# Allegro board Learn.brd (continued)
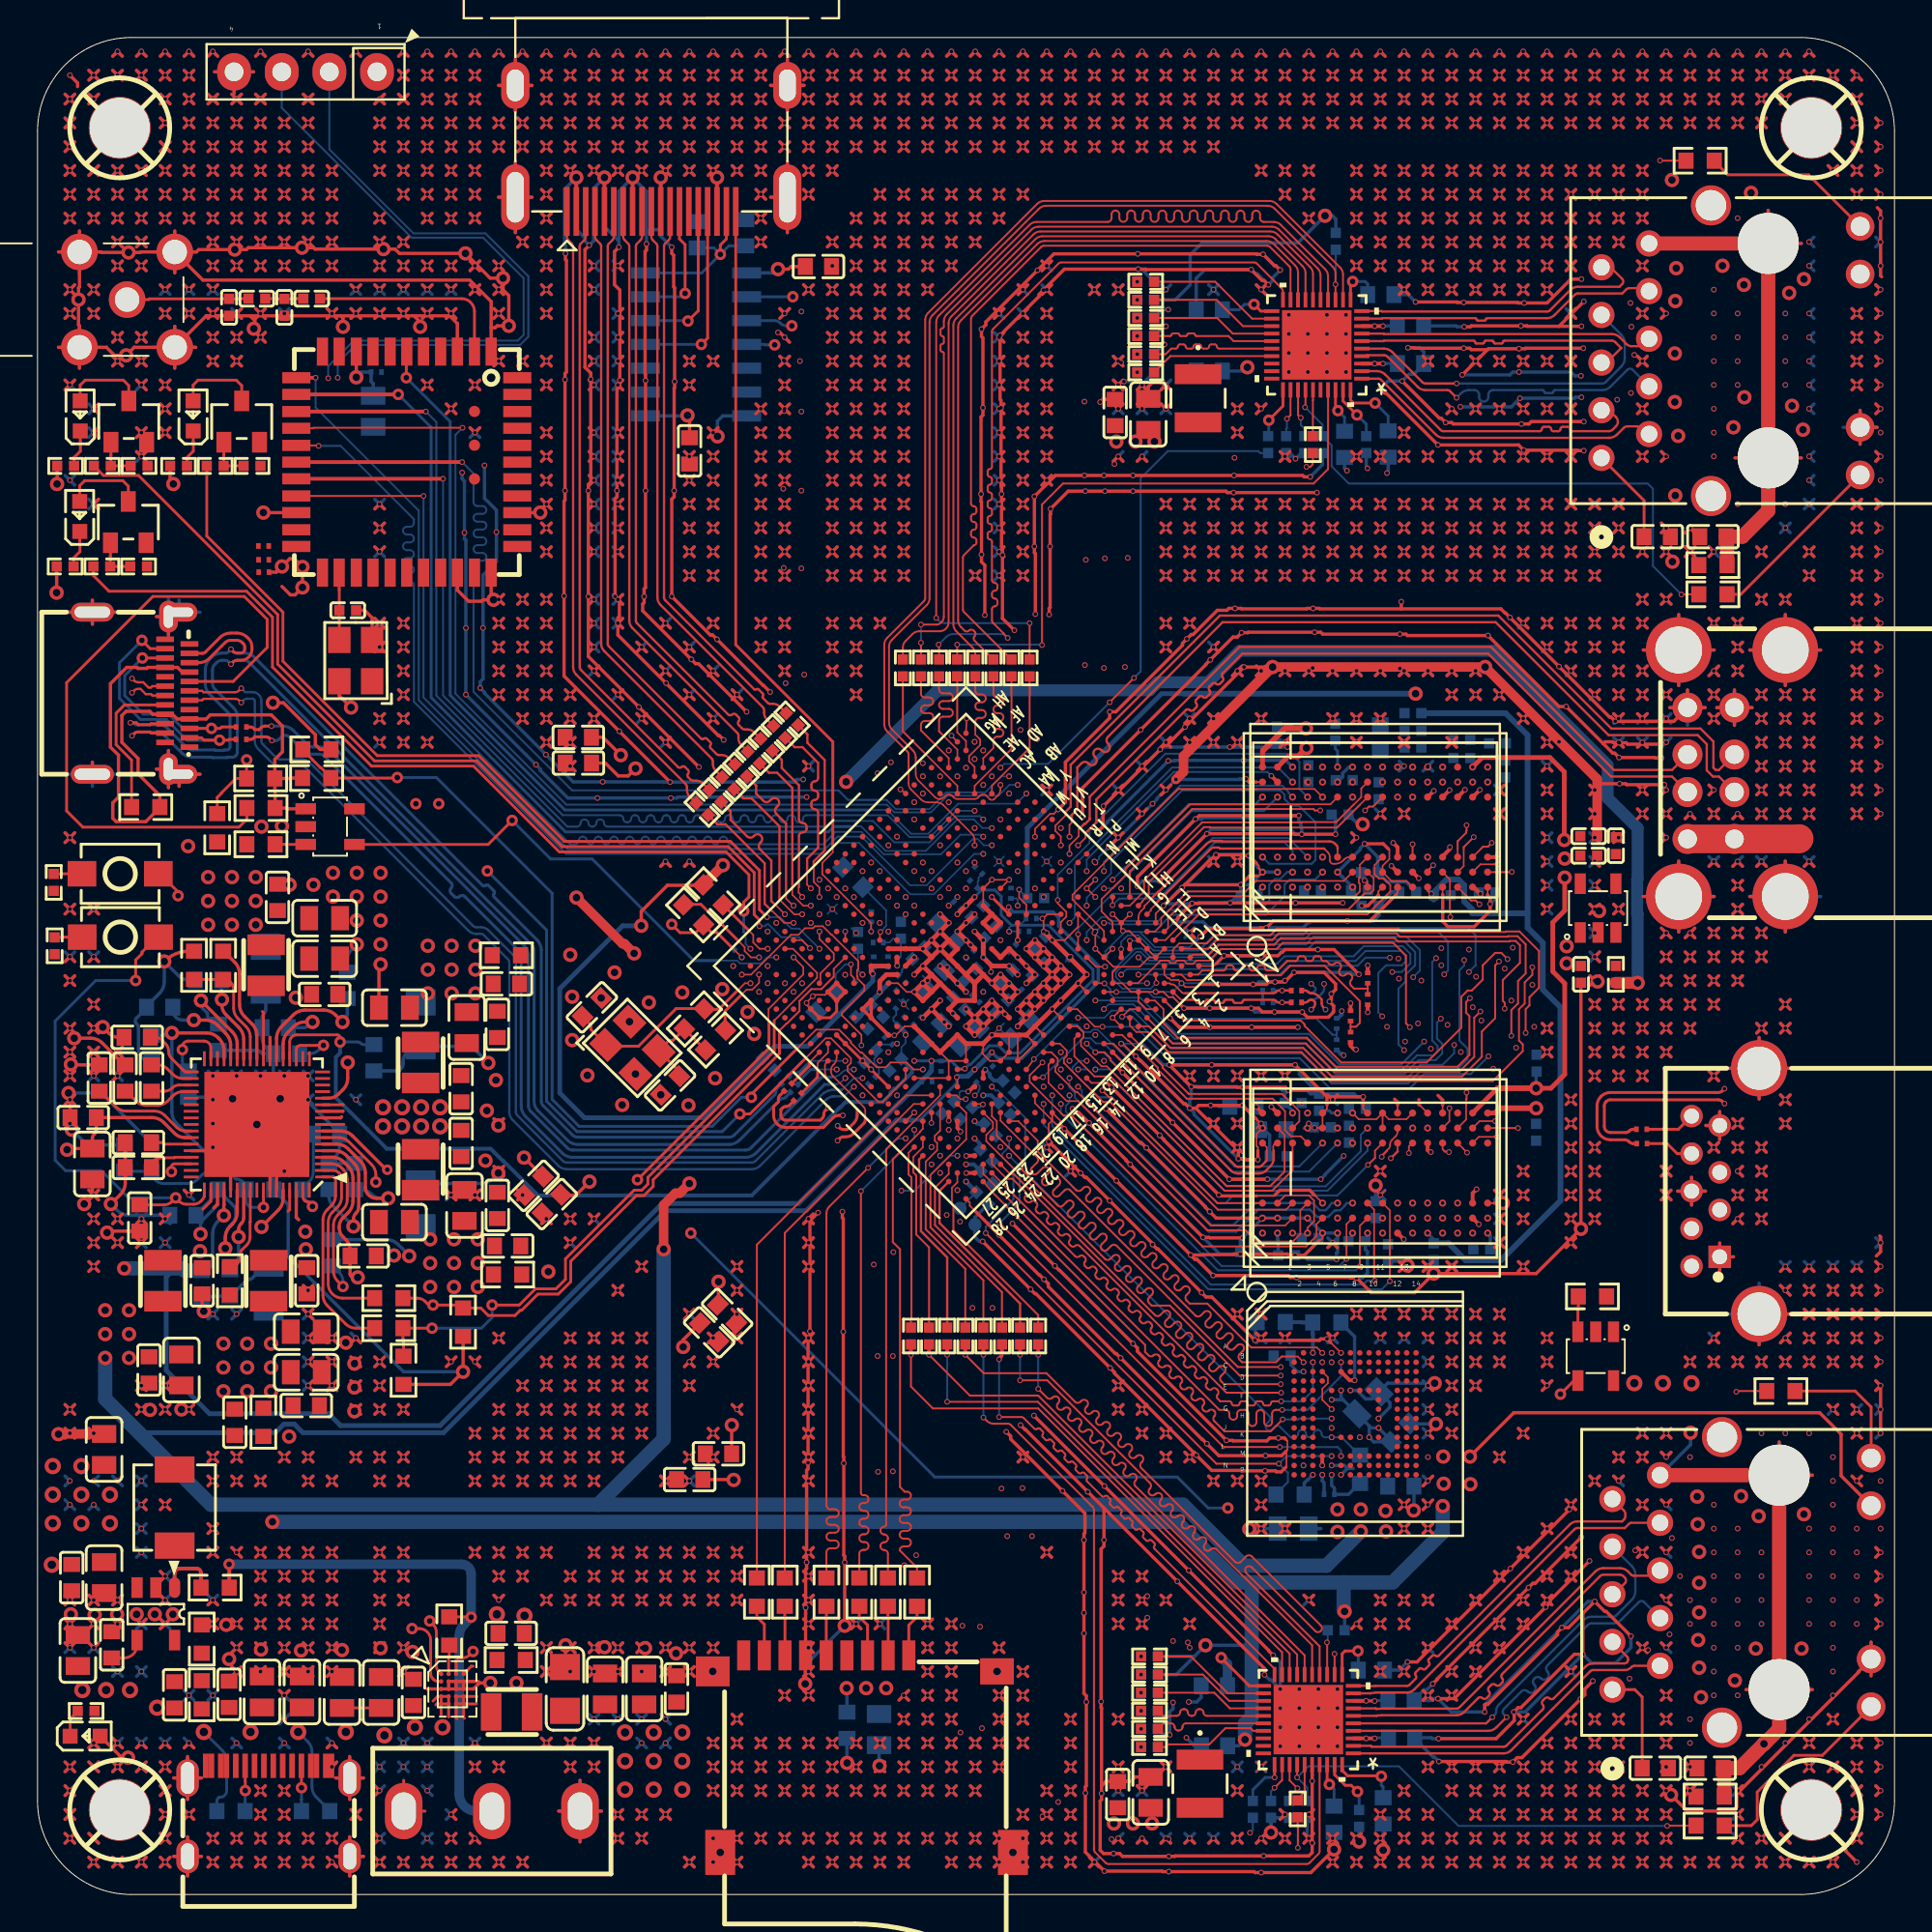
[diagram p0: board, top side]
## Routing (per net, layer and track width the routed paths; a pad name or vN(x,y) marks a point on that pad's centre or on a via; arc(x,y) is an arc through that point) (continued)
J1.20 39.97,92.36 ; J1.20 39.08,90.47 ; J1.20 39.97,88.58 ; 11.63,13.41 v1(11.88,13.15) ; v1(11.88,13.15) 11.63,12.9 ; v1(11.88,13.15) 12.14,12.9 ; v1(11.88,13.15) 12.14,13.41 ; 25.6,68.78 v1(25.85,69.03) ; v1(25.85,69.03) 26.11,68.78 ; v1(25.85,69.03) 26.11,69.29 ; v1(25.85,69.03) 25.6,69.29 ; 86.56,73.1 v1(86.81,72.84) ; v1(86.81,72.84) 87.07,72.59 ; v1(86.81,72.84) 86.56,72.59 ; 43.38,82.75 v1(43.63,83) ; v1(43.63,83) 43.89,82.75 ; v1(43.63,83) 43.38,83.26 ; v1(43.63,83) 43.89,83.26 ; 64.97,70.56 v1(65.22,70.3) ; v1(65.22,70.3) 65.48,70.05 ; v1(65.22,70.3) 65.48,70.56 ; v1(65.22,70.3) 64.97,70.05 ; 72.59,29.92 v1(72.84,29.66) 73.1,29.92 ; 53.54,2.74 v1(53.79,2.99) ; v1(53.79,2.99) 54.05,3.25 ; v1(53.79,2.99) 54.05,2.74 ; v1(53.79,2.99) 53.54,3.25 ; 29.41,17.98 v1(29.66,18.23) ; v1(29.66,18.23) 29.92,17.98 ; v1(29.66,18.23) 29.41,18.49 ; v1(29.66,18.23) 29.92,18.49 ; v1(56.33,94.43) 56.59,94.18 ; v1(56.33,94.43) 56.08,94.69 ; v1(56.33,94.43) 56.08,94.18 ; v1(56.33,94.43) 56.59,94.69 ; v1(98.24,27.12) v1(98.24,25.85) v1(98.24,24.58) ; v1(98.24,27.12) 97.99,26.87 ; v1(98.24,27.12) 97.99,27.38 ; 82.75,71.32 v1(83,71.57) ; v1(83,71.57) 83.26,71.83 ; v1(83,71.57) 83.26,71.32 ; v1(83,71.57) 82.75,71.83 ; 80.21,15.44 v1(80.46,15.69) ; v1(80.46,15.69) 80.21,15.95 ; v1(80.46,15.69) 80.72,15.44 ; v1(80.46,15.69) 80.72,15.95 ; v1(57.6,56.33) 57.86,56.59 ; v1(57.6,56.33) 57.35,56.08 ; v1(57.6,56.33) 57.35,56.59 ; 80.21,68.02 v1(80.46,67.76) ; v1(80.46,67.76) 80.21,67.51 ; v1(80.46,67.76) 80.72,68.02 ; v1(80.46,67.76) 80.72,67.51 ; 95.45,29.92 v1(95.7,29.66) ; v1(95.7,29.66) 95.96,29.92 ; v1(95.7,29.66) 95.45,29.41 ; v1(95.7,29.66) 95.96,29.41 ; 48.46,97.23 v1(48.71,96.97) ; v1(48.71,96.97) 48.97,96.72 ; v1(48.71,96.97) 48.46,96.72 ; v1(48.71,96.97) 48.97,97.23 ; v1(72.84,20.77) 73.1,20.52 ; v1(72.84,20.77) 72.59,21.03 ; v1(72.84,20.77) 72.59,20.52 ; v1(72.84,20.77) 73.1,21.03 ; 42.11,79.45 v1(42.36,79.19) ; v1(42.36,79.19) 42.62,78.94 ; v1(42.36,79.19) 42.62,79.45 ; v1(42.36,79.19) 42.11,78.94 ; v1(61.41,71.57) 61.67,71.83 ; v1(61.41,71.57) 61.67,71.32 ; v1(61.41,71.57) 61.16,71.83 ; v1(61.41,71.57) 61.16,71.32 ; v1(28.39,60.14) 28.65,59.89 ; v1(28.39,60.14) 28.14,59.89 ; v1(28.39,60.14) 28.14,60.4 ; v1(28.39,60.14) 28.65,60.4 ; 81.48,37.03 v1(81.73,37.28) ; v1(81.73,37.28) 81.99,37.03 ; v1(81.73,37.28) 81.99,37.54 ; v1(81.73,37.28) 81.48,37.54 ; v1(72.84,2.99) 73.1,3.25 ; v1(72.84,2.99) 72.59,2.74 ; v1(72.84,2.99) 73.1,2.74 ; v1(72.84,2.99) 72.59,3.25 ; v1(57.6,27.12) 57.86,26.87 ; v1(57.6,27.12) 57.35,27.38 ; v1(57.6,27.12) 57.35,26.87 ; v1(57.6,27.12) 57.86,27.38 ; 92.91,42.11 v1(93.16,42.36) ; v1(93.16,42.36) 93.42,42.11 ; v1(93.16,42.36) 92.91,42.62 ; v1(93.16,42.36) 93.42,42.62 ; 42.11,97.99 v1(42.36,98.24) 42.62,97.99 ; v1(77.92,90.62) 78.18,90.37 ; v1(77.92,90.62) 77.67,90.37 ; v1(77.92,90.62) 77.67,90.88 ; v1(77.92,90.62) 78.18,90.88 ; v1(2.99,1.72) 3.25,1.47 ; v1(2.99,1.72) 2.74,1.98 ; v1(2.99,1.72) 3.25,1.98 ; v1(2.99,1.72) 2.74,1.47 ; 71.32,14.17 v1(71.57,14.42) ; v1(71.57,14.42) 71.83,14.17 ; v1(71.57,14.42) 71.32,14.68 ; v1(71.57,14.42) 71.83,14.68 ; 78.94,71.32 v1(79.19,71.57) ; v1(79.19,71.57) 79.45,71.83 ; v1(79.19,71.57) 78.94,71.83 ; v1(79.19,71.57) 79.45,71.32 ; v1(52.52,72.84) 52.78,72.59 ; v1(52.52,72.84) 52.78,73.1 ; v1(52.52,72.84) 52.27,72.59 ; v1(52.52,72.84) 52.27,73.1 ; v1(6.8,90.62) 7.06,90.37 ; v1(6.8,90.62) 7.06,90.88 ; v1(6.8,90.62) 6.55,90.88 ; v1(6.8,90.62) 6.55,90.37 ; 82.75,2.74 v1(83,2.99) ; v1(83,2.99) 83.26,3.25 ; v1(83,2.99) 82.75,3.25 ; v1(83,2.99) 83.26,2.74 ; 59.13,97.99 v1(58.87,98.24) 58.62,97.99 ; v1(13.15,11.88) 13.41,12.14 ; v1(13.15,11.88) 13.41,11.63 ; v1(13.15,11.88) 12.9,11.63 ; v1(13.15,11.88) 12.9,12.14 ; v1(64.41,59.46) 64.58,59.3 64.97,59.3 ; U3.B3 U3.B4 ; v1(36.01,6.8) 36.27,6.55 ; v1(36.01,6.8) 35.76,7.06 ; v1(36.01,6.8) 35.76,6.55 ; v1(36.01,6.8) 36.27,7.06 ; 68.78,95.96 v1(69.03,95.7) ; v1(69.03,95.7) 68.78,95.45 ; v1(69.03,95.7) 69.29,95.96 ; v1(69.03,95.7) 69.29,95.45 ; 66.24,19.76 v1(66.49,19.5) ; v1(66.49,19.5) 66.24,19.25 ; v1(66.49,19.5) 66.75,19.76 ; v1(66.49,19.5) 66.75,19.25 ; 61.16,23.06 v1(61.41,23.31) ; v1(61.41,23.31) 61.16,23.57 ; v1(61.41,23.31) 61.67,23.06 ; v1(61.41,23.31) 61.67,23.57 ; 72.69,68.55 v1(72.69,68.91) ; 72.69,68.55 72.67,68.53 68.35,68.53 68.32,68.55 v1(68,68.55) 67.67,68.55 67.64,68.53 64.18,68.53 64.16,68.55 v1(63.83,68.55) 63.5,68.55 63.4,68.45 62.89,68.45 61.6,67.16 61.5,67.16 v1(61.26,66.93) 61.03,66.7 61.03,66.6 57.48,63.04 v1(57.15,63.04) 57.15,62.71 54.79,60.35 54.79,58.22 54.51,57.94 ; v1(83,6.8) 83.26,6.55 ; v1(83,6.8) 82.75,6.55 ; v1(83,6.8) 82.75,7.06 ; v1(83,6.8) 83.26,7.06 ; v1(55.06,6.8) 55.32,7.06 ; v1(55.06,6.8) 55.32,6.55 ; v1(55.06,6.8) 54.81,6.55 ; v1(55.06,6.8) 54.81,7.06 ; v1(93.16,41.09) 93.42,40.84 ; v1(93.16,41.09) 93.42,41.35 ; v1(93.16,41.09) 92.91,41.35 ; v1(93.16,41.09) 92.91,40.84 ; v1(41.09,6.8) 41.35,7.06 ; v1(41.09,6.8) 40.84,7.06 ; v1(41.09,6.8) 40.84,6.55 ; v1(41.09,6.8) 41.35,6.55 ; v1(83,38.55) 83.26,38.81 ; v1(83,38.55) 83.26,38.3 ; v1(83,38.55) 82.75,38.81 ; v1(83,38.55) 82.75,38.3 ; 16.71,84.02 v1(16.96,84.27) ; v1(16.96,84.27) 17.22,84.53 ; v1(16.96,84.27) 16.71,84.53 ; v1(16.96,84.27) 17.22,84.02 ; 66.24,90.88 v1(66.49,90.62) ; v1(66.49,90.62) 66.24,90.37 ; v1(66.49,90.62) 66.75,90.37 ; v1(66.49,90.62) 66.75,90.88 ; v1(84.27,72.84) 84.53,73.1 ; v1(84.27,72.84) 84.02,72.59 ; v1(84.27,72.84) 84.02,73.1 ; v1(84.27,72.84) 84.53,72.59 ; 52.27,94.69 v1(52.52,94.43) ; v1(52.52,94.43) 52.27,94.18 ; v1(52.52,94.43) 52.78,94.69 ; v1(52.52,94.43) 52.78,94.18 ; 81.48,73.1 v1(81.73,72.84) ; v1(81.73,72.84) 81.99,73.1 ; v1(81.73,72.84) 81.99,72.59 ; v1(81.73,72.84) 81.48,72.59 ; v1(69.03,72.84) 69.29,73.1 ; v1(69.03,72.84) 68.78,72.59 ; v1(69.03,72.84) 69.29,72.59 ; v1(69.03,72.84) 68.78,73.1 ; 90.37,65.48 v1(90.62,65.22) ; v1(90.62,65.22) 90.37,64.97 ; v1(90.62,65.22) 90.88,65.48 ; v1(90.62,65.22) 90.88,64.97 ; v1(95.7,28.39) 95.96,28.65 ; v1(95.7,28.39) 95.96,28.14 ; v1(95.7,28.39) 95.45,28.65 ; v1(95.7,28.39) 95.45,28.14 ; v1(66.49,74.11) 66.75,74.37 ; v1(66.49,74.11) 66.75,73.86 ; v1(66.49,74.11) 66.24,73.86 ; v1(66.49,74.11) 66.24,74.37 ; v1(15.69,18.23) 15.95,17.98 ; v1(15.69,18.23) 15.95,18.49 ; v1(15.69,18.23) 15.44,18.49 ; v1(15.69,18.23) 15.44,17.98 ; 11.33,84.15 10.67,84.15 10.66,84.15 C205.1 8.99,84.15 U22.2 ; 11.33,84.15 C204.1 16.15,84.15 ; v1(76.65,5.53) 76.91,5.79 ; v1(76.65,5.53) 76.91,5.28 ; v1(76.65,5.53) 76.4,5.79 ; v1(76.65,5.53) 76.4,5.28 ; 12.9,84.02 v1(13.15,84.27) 13.41,84.02 ; 39.57,73.1 v1(39.82,72.84) ; v1(39.82,72.84) 40.08,72.59 ; v1(39.82,72.84) 39.57,72.59 ; v1(39.82,72.84) 40.08,73.1 ; v1(81.73,9.34) 81.99,9.09 ; v1(81.73,9.34) 81.48,9.09 ; v1(81.73,9.34) 81.99,9.6 ; v1(81.73,9.34) 81.48,9.6 ; 1.47,44.65 v1(1.72,44.9) ; v1(1.72,44.9) 1.47,45.16 ; v1(1.72,44.9) 1.98,45.16 ; v1(1.72,44.9) 1.98,44.65 ; 31.19,73.1 v1(30.93,72.84) 31.19,72.59 ; 23.06,22.3 v1(23.31,22.04) ; v1(23.31,22.04) 23.06,21.79 ; v1(23.31,22.04) 23.57,21.79 ; v1(23.31,22.04) 23.57,22.3 ; 95.45,33.22 v1(95.7,33.47) 95.96,33.22 ; 44.65,97.23 v1(44.9,96.97) ; v1(44.9,96.97) 45.16,96.72 ; v1(44.9,96.97) 44.65,96.72 ; v1(44.9,96.97) 45.16,97.23 ; v1(91.89,46.17) 92.15,45.92 ; v1(91.89,46.17) 91.64,45.92 ; v1(91.89,46.17) 92.15,46.43 ; v1(91.89,46.17) 91.64,46.43 ; v1(13.15,2.99) 13.41,2.74 ; v1(13.15,2.99) 12.9,2.74 ; v1(13.15,2.99) 13.41,3.25 ; v1(13.15,2.99) 12.9,3.25 ; v1(56.95,41.88) 58.75,40.08 58.82,40.08 v1(59.11,39.8) 62.25,36.66 62.25,36.63 v1(62.48,36.4) 62.83,36.05 64.97,36.05 ; 58.62,79.45 v1(58.87,79.19) 59.13,79.45 ; 52.27,75.13 v1(52.52,75.38) ; v1(52.52,75.38) 52.78,75.64 ; v1(52.52,75.38) 52.27,75.64 ; v1(52.52,75.38) 52.78,75.13 ; v1(44.9,86.81) 45.16,87.07 ; v1(44.9,86.81) 44.65,86.56 ; v1(44.9,86.81) 44.65,87.07 ; v1(44.9,86.81) 45.16,86.56 ; v1(96.97,24.58) 97.23,24.84 ; v1(96.97,24.58) 96.72,24.33 ; v1(96.97,24.58) 97.23,24.33 ; v1(96.97,24.58) 96.72,24.84 ; v1(76.65,89.35) 76.91,89.1 ; v1(76.65,89.35) 76.4,89.1 ; v1(76.65,89.35) 76.91,89.61 ; v1(76.65,89.35) 76.4,89.61 ; 49.73,95.45 v1(49.98,95.7) ; v1(49.98,95.7) 50.24,95.45 ; v1(49.98,95.7) 50.24,95.96 ; v1(49.98,95.7) 49.73,95.96 ; 71.32,15.44 v1(71.57,15.69) ; v1(71.57,15.69) 71.83,15.44 ; v1(71.57,15.69) 71.83,15.95 ; v1(71.57,15.69) 71.32,15.95 ; 96.72,92.91 v1(96.97,93.16) ; v1(96.97,93.16) 96.72,93.42 ; v1(96.97,93.16) 97.23,93.42 ; v1(96.97,93.16) 97.23,92.91 ; 25.6,62.94 v1(25.85,62.68) ; v1(25.85,62.68) 25.6,62.43 ; v1(25.85,62.68) 26.11,62.43 ; v1(25.85,62.68) 26.11,62.94 ; 48.46,7.06 v1(48.71,6.8) ; v1(48.71,6.8) 48.97,7.06 ; v1(48.71,6.8) 48.46,6.55 ; v1(48.71,6.8) 48.97,6.55 ; v1(34.74,81.73) 35,81.99 ; v1(34.74,81.73) 34.49,81.48 ; v1(34.74,81.73) 35,81.48 ; v1(34.74,81.73) 34.49,81.99 ; 80.21,73.86 v1(80.46,74.11) ; v1(80.46,74.11) 80.72,73.86 ; v1(80.46,74.11) 80.21,74.37 ; v1(80.46,74.11) 80.72,74.37 ; v1(27.12,91.89) 27.38,91.64 ; v1(27.12,91.89) 26.87,92.15 ; v1(27.12,91.89) 26.87,91.64 ; v1(27.12,91.89) 27.38,92.15 ; v1(74.11,10.61) 74.37,10.36 ; v1(74.11,10.61) 73.86,10.36 ; v1(74.11,10.61) 74.37,10.87 ; v1(74.11,10.61) 73.86,10.87 ; 86.56,47.19 v1(86.81,47.44) ; v1(86.81,47.44) 87.07,47.19 ; v1(86.81,47.44) 86.56,47.7 ; v1(86.81,47.44) 87.07,47.7 ; 87.83,7.06 v1(88.08,6.8) ; v1(88.08,6.8) 88.34,6.55 ; v1(88.08,6.8) 87.83,6.55 ; v1(88.08,6.8) 88.34,7.06 ; 61.67,51.51 v1(61.41,51.25) 61.67,51 ; 26.87,26.11 v1(27.12,25.85) ; v1(27.12,25.85) 27.38,25.6 ; v1(27.12,25.85) 26.87,25.6 ; v1(27.12,25.85) 27.38,26.11 ; 14.17,2.74 v1(14.42,2.99) ; v1(14.42,2.99) 14.68,2.74 ; v1(14.42,2.99) 14.68,3.25 ; v1(14.42,2.99) 14.17,3.25 ; 16.71,85.8 v1(16.96,85.54) 17.22,85.8 ; v1(9.34,93.16) 9.6,92.91 ; v1(9.34,93.16) 9.09,93.42 ; v1(9.34,93.16) 9.09,92.91 ; v1(9.34,93.16) 9.6,93.42 ; 5.28,97.99 v1(5.53,98.24) 5.79,97.99 ; v1(43.63,65.22) 43.89,65.48 ; v1(43.63,65.22) 43.38,65.48 ; v1(43.63,65.22) 43.89,64.97 ; v1(43.63,65.22) 43.38,64.97 ; v1(70.3,88.08) 70.56,87.83 ; v1(70.3,88.08) 70.56,88.34 ; v1(70.3,88.08) 70.05,88.34 ; v1(70.3,88.08) 70.05,87.83 ; v1(83,96.97) 83.26,97.23 ; v1(83,96.97) 82.75,96.72 ; v1(83,96.97) 82.75,97.23 ; v1(83,96.97) 83.26,96.72 ; 78.94,1.47 v1(79.19,1.72) ; v1(79.19,1.72) 79.45,1.47 ; v1(79.19,1.72) 79.45,1.98 ; v1(79.19,1.72) 78.94,1.98 ; 86.56,76.4 v1(86.81,76.65) 86.56,76.91 ; 86.56,84.53 v1(86.81,84.27) 86.56,84.02 ; 61.67,62.43 v1(61.41,62.68) 61.16,62.43 ; 37.03,31.19 v1(37.28,30.93) ; v1(37.28,30.93) 37.03,30.68 ; v1(37.28,30.93) 37.54,31.19 ; v1(37.28,30.93) 37.54,30.68 ; 80.21,5.79 v1(80.46,5.53) ; v1(80.46,5.53) 80.72,5.79 ; v1(80.46,5.53) 80.72,5.28 ; v1(80.46,5.53) 80.21,5.28 ; v1(69.03,62.68) 69.29,62.94 ; v1(69.03,62.68) 68.78,62.94 ; v1(69.03,62.68) 69.29,62.43 ; v1(69.03,62.68) 68.78,62.43 ; 22.3,97.99 v1(22.04,98.24) 21.79,97.99 ; 77.67,76.4 v1(77.92,76.65) ; v1(77.92,76.65) 78.18,76.91 ; v1(77.92,76.65) 78.18,76.4 ; v1(77.92,76.65) 77.67,76.91 ; 58.62,5.79 v1(58.87,5.53) 59.13,5.79 ; v1(91.89,39.82) 92.15,40.08 ; v1(91.89,39.82) 91.64,40.08 ; v1(91.89,39.82) 92.15,39.57 ; v1(91.89,39.82) 91.64,39.57 ; 44.65,76.4 v1(44.9,76.65) ; v1(44.9,76.65) 45.16,76.91 ; v1(44.9,76.65) 45.16,76.4 ; v1(44.9,76.65) 44.65,76.91 ; v1(91.89,49.98) 92.15,50.24 ; v1(91.89,49.98) 91.64,49.73 ; v1(91.89,49.98) 92.15,49.73 ; v1(91.89,49.98) 91.64,50.24 ; v1(42.36,66.49) 42.62,66.24 ; v1(42.36,66.49) 42.11,66.24 ; v1(42.36,66.49) 42.11,66.75 ; v1(42.36,66.49) 42.62,66.75 ; v1(48.71,11.88) 48.97,12.14 ; v1(48.71,11.88) 48.46,11.63 ; v1(48.71,11.88) 48.46,12.14 ; v1(48.71,11.88) 48.97,11.63 ; v1(27.12,75.38) 27.38,75.64 ; v1(27.12,75.38) 26.87,75.64 ; v1(27.12,75.38) 26.87,75.13 ; v1(27.12,75.38) 27.38,75.13 ; v1(42.36,75.38) 42.62,75.13 ; v1(42.36,75.38) 42.11,75.13 ; v1(42.36,75.38) 42.11,75.64 ; v1(42.36,75.38) 42.62,75.64 ; 29.41,36.27 v1(29.66,36.01) ; v1(29.66,36.01) 29.41,35.76 ; v1(29.66,36.01) 29.92,36.27 ; 84.02,62.94 v1(84.27,62.68) 84.53,62.94 ; v1(10.61,89.35) 10.87,89.1 ; v1(10.61,89.35) 10.87,89.61 ; v1(10.61,89.35) 10.36,89.61 ; v1(10.61,89.35) 10.36,89.1 ; v1(23.31,85.54) 23.57,85.8 ; v1(23.31,85.54) 23.06,85.29 ; v1(23.31,85.54) 23.57,85.29 ; v1(23.31,85.54) 23.06,85.8 ; 38.3,75.64 v1(38.55,75.38) ; v1(38.55,75.38) 38.81,75.64 ; v1(38.55,75.38) 38.3,75.13 ; v1(38.55,75.38) 38.81,75.13 ; 80.21,71.83 v1(80.46,71.57) ; v1(80.46,71.57) 80.21,71.32 ; v1(80.46,71.57) 80.72,71.83 ; v1(80.46,71.57) 80.72,71.32 ; v1(51.25,89.35) 51.51,89.1 ; v1(51.25,89.35) 51,89.1 ; v1(51.25,89.35) 51,89.61 ; v1(51.25,89.35) 51.51,89.61 ; 9.09,87.83 v1(9.34,88.08) ; v1(9.34,88.08) 9.09,88.34 ; v1(9.34,88.08) 9.6,87.83 ; v1(9.34,88.08) 9.6,88.34 ; 23.06,80.72 v1(23.31,80.46) ; v1(23.31,80.46) 23.57,80.21 ; v1(23.31,80.46) 23.57,80.72 ; v1(23.31,80.46) 23.06,80.21 ; 59.89,70.56 v1(60.14,70.3) ; v1(60.14,70.3) 60.4,70.05 ; v1(60.14,70.3) 60.4,70.56 ; v1(60.14,70.3) 59.89,70.05 ; 82.75,48.97 v1(83,48.71) ; v1(83,48.71) 83.26,48.97 ; v1(83,48.71) 82.75,48.46 ; v1(83,48.71) 83.26,48.46 ; 58.62,25.6 v1(58.87,25.85) ; v1(58.87,25.85) 59.13,25.6 ; v1(58.87,25.85) 59.13,26.11 ; v1(58.87,25.85) 58.62,26.11 ; v1(90.62,49.98) 90.88,50.24 ; v1(90.62,49.98) 90.37,49.73 ; v1(90.62,49.98) 90.88,49.73 ; v1(90.62,49.98) 90.37,50.24 ; v1(72.84,77.92) 73.1,77.67 ; v1(72.84,77.92) 73.1,78.18 ; v1(72.84,77.92) 72.59,77.67 ; v1(72.84,77.92) 72.59,78.18 ; 80.21,85.29 v1(80.46,85.54) ; v1(80.46,85.54) 80.72,85.8 ; v1(80.46,85.54) 80.21,85.8 ; v1(80.46,85.54) 80.72,85.29 ; v1(95.7,96.97) 95.96,96.72 ; v1(95.7,96.97) 95.45,96.72 ; v1(95.7,96.97) 95.45,97.23 ; v1(95.7,96.97) 95.96,97.23 ; v1(53.79,76.65) 54.05,76.91 ; v1(53.79,76.65) 53.54,76.91 ; v1(53.79,76.65) 54.05,76.4 ; v1(53.79,76.65) 53.54,76.4 ; v1(49.98,2.99) 50.24,3.25 ; v1(49.98,2.99) 49.73,3.25 ; v1(49.98,2.99) 50.24,2.74 ; v1(49.98,2.99) 49.73,2.74 ; v1(85.54,57.6) 85.8,57.86 ; v1(85.54,57.6) 85.29,57.86 ; v1(85.54,57.6) 85.29,57.35 ; v1(85.54,57.6) 85.8,57.35 ; 89.61,97.99 v1(89.35,98.24) 89.1,97.99 ; v1(77.92,85.54) 78.18,85.8 ; v1(77.92,85.54) 77.67,85.29 ; v1(77.92,85.54) 78.18,85.29 ; v1(77.92,85.54) 77.67,85.8 ; 68.38,42.88 68.73,42.52 ; 68.38,42.88 v1(66.67,42.88) 66.52,43.03 v1(64.26,43.03) 63.93,43.03 63.91,43.05 v1(61.49,43.05) v1(60.33,44.22) v1(62.59,44.22) v1(67.03,44.22) 68.38,42.88 ; 68.73,42.52 v1(70.66,42.52) 70.66,42.09 ; 68.73,42.52 68.73,42.09 ; v1(30.93,4.26) 31.19,4.52 ; v1(30.93,4.26) 30.68,4.01 ; v1(30.93,4.26) 30.68,4.52 ; v1(30.93,4.26) 31.19,4.01 ; 84.02,87.83 v1(84.27,88.08) ; v1(84.27,88.08) 84.53,88.34 ; v1(84.27,88.08) 84.53,87.83 ; v1(84.27,88.08) 84.02,88.34 ; v1(63.95,65.22) 64.21,65.48 ; v1(63.95,65.22) 64.21,64.97 ; v1(63.95,65.22) 63.7,64.97 ; v1(30.93,23.31) 31.19,23.57 ; v1(30.93,23.31) 31.19,23.06 ; v1(30.93,23.31) 30.68,23.06 ; v1(30.93,23.31) 30.68,23.57 ; v1(10.61,90.62) 10.87,90.88 ; v1(10.61,90.62) 10.36,90.37 ; v1(10.61,90.62) 10.87,90.37 ; v1(10.61,90.62) 10.36,90.88 ; 73.86,97.99 v1(74.11,98.24) 74.37,97.99 ; 35.76,17.22 v1(36.01,16.96) ; v1(36.01,16.96) 35.76,16.71 ; v1(36.01,16.96) 36.27,17.22 ; v1(36.01,16.96) 36.27,16.71 ; 23.06,1.98 v1(23.31,1.72) ; v1(23.31,1.72) 23.06,1.47 ; v1(23.31,1.72) 23.57,1.98 ; v1(23.31,1.72) 23.57,1.47 ; 90.37,96.72 v1(90.62,96.97) ; v1(90.62,96.97) 90.88,96.72 ; v1(90.62,96.97) 90.88,97.23 ; v1(90.62,96.97) 90.37,97.23 ; 43.38,67.51 v1(43.63,67.76) ; v1(43.63,67.76) 43.38,68.02 ; v1(43.63,67.76) 43.89,68.02 ; v1(43.63,67.76) 43.89,67.51 ; v1(27.12,36.01) 27.38,35.76 ; v1(27.12,36.01) 27.38,36.27 ; v1(27.12,36.01) 26.87,35.76 ; v1(27.12,36.01) 26.87,36.27 ; 72.59,5.79 v1(72.84,5.53) ; v1(72.84,5.53) 73.1,5.28 ; v1(72.84,5.53) 73.1,5.79 ; v1(72.84,5.53) 72.59,5.28 ; U17.C4 6.98,60.98 ; U17.C4 6.98,59 ; U17.C4 6.34,59.99 ; 91.27,53.2 U19.12 ; U19.12 93.16,55.09 ; U19.12 93.16,51.31 ; v1(38.55,91.89) 38.81,92.15 ; v1(38.55,91.89) 38.3,91.64 ; v1(38.55,91.89) 38.81,91.64 ; v1(38.55,91.89) 38.3,92.15 ; 89.1,39.57 v1(89.35,39.82) ; v1(89.35,39.82) 89.1,40.08 ; v1(89.35,39.82) 89.61,39.57 ; v1(89.35,39.82) 89.61,40.08 ; 97.99,68.78 v1(98.24,69.03) 97.99,69.29 ; v1(2.99,44.9) 3.25,44.65 ; v1(2.99,44.9) 2.74,45.16 ; v1(2.99,44.9) 2.74,44.65 ; v1(2.99,44.9) 3.25,45.16 ; v1(28.39,23.31) 28.65,23.57 ; v1(28.39,23.31) 28.14,23.06 ; v1(28.39,23.31) 28.14,23.57 ; v1(28.39,23.31) 28.65,23.06 ; 44.65,70.05 v1(44.9,70.3) ; v1(44.9,70.3) 44.65,70.56 ; v1(44.9,70.3) 45.16,70.05 ; v1(44.9,70.3) 45.16,70.56 ; v1(81.73,42.36) 81.99,42.11 ; v1(81.73,42.36) 81.48,42.11 ; v1(81.73,42.36) 81.99,42.62 ; v1(81.73,42.36) 81.48,42.62 ; v1(44.9,8.07) 45.16,7.82 ; v1(44.9,8.07) 44.65,7.82 ; v1(44.9,8.07) 45.16,8.33 ; v1(44.9,8.07) 44.65,8.33 ; 14.68,97.99 v1(14.42,98.24) 14.17,97.99 ; 2.74,15.44 v1(2.99,15.69) ; v1(2.99,15.69) 3.25,15.44 ; v1(2.99,15.69) 2.74,15.95 ; v1(2.99,15.69) 3.25,15.95 ; 90.37,1.47 v1(90.62,1.72) ; v1(90.62,1.72) 90.37,1.98 ; v1(90.62,1.72) 90.88,1.47 ; v1(90.62,1.72) 90.88,1.98 ; 42.11,86.56 v1(42.36,86.81) ; v1(42.36,86.81) 42.62,87.07 ; v1(42.36,86.81) 42.62,86.56 ; v1(42.36,86.81) 42.11,87.07 ; 94.18,96.72 v1(94.43,96.97) ; v1(94.43,96.97) 94.18,97.23 ; v1(94.43,96.97) 94.69,97.23 ; v1(94.43,96.97) 94.69,96.72 ; v1(48.71,1.72) 48.97,1.98 ; v1(48.71,1.72) 48.97,1.47 ; v1(48.71,1.72) 48.46,1.47 ; v1(48.71,1.72) 48.46,1.98 ; v1(72.75,80.67) 74.72,78.69 74.82,78.69 v1(75.06,78.46) 75.39,78.46 75.46,78.38 v1(79.1,78.38) 79.5,78.38 79.63,78.51 v1(82.42,78.51) ; v1(60.38,46.71) 60.86,46.23 v1(62.48,46.23) v1(64.72,46.23) v1(67.18,46.23) ; v1(61.98,51.05) 62.41,51.49 65.13,51.49 65.17,51.52 v1(65.49,51.52) 65.86,51.89 v1(69.82,51.89) 71.02,51.89 72.41,53.29 ; 97.99,70.56 v1(98.24,70.3) 97.99,70.05 ; 37.03,94.18 v1(37.28,94.43) ; v1(37.28,94.43) 37.03,94.69 ; v1(37.28,94.43) 37.54,94.18 ; v1(37.28,94.43) 37.54,94.69 ; v1(13.15,88.08) 13.41,87.83 ; v1(13.15,88.08) 12.9,87.83 ; v1(13.15,88.08) 13.41,88.34 ; v1(13.15,88.08) 12.9,88.34 ; 66.24,70.56 v1(66.49,70.3) ; v1(66.49,70.3) 66.24,70.05 ; v1(66.49,70.3) 66.75,70.56 ; v1(66.49,70.3) 66.75,70.05 ; 4.01,7.82 v1(4.26,8.07) ; v1(4.26,8.07) 4.52,7.82 ; v1(4.26,8.07) 4.01,8.33 ; v1(74.11,4.26) 74.37,4.01 ; v1(74.11,4.26) 73.86,4.52 ; v1(74.11,4.26) 73.86,4.01 ; v1(74.11,4.26) 74.37,4.52 ; 90.37,39.57 v1(90.62,39.82) ; v1(90.62,39.82) 90.88,39.57 ; v1(90.62,39.82) 90.88,40.08 ; v1(90.62,39.82) 90.37,40.08 ; 85.29,47.19 v1(85.54,47.44) ; v1(85.54,47.44) 85.8,47.7 ; v1(85.54,47.44) 85.8,47.19 ; v1(85.54,47.44) 85.29,47.7 ; 71.32,96.72 v1(71.57,96.97) ; v1(71.57,96.97) 71.83,97.23 ; v1(71.57,96.97) 71.83,96.72 ; v1(71.57,96.97) 71.32,97.23 ; 31.19,75.64 v1(30.93,75.38) 31.19,75.13 ; 24.33,69.29 v1(24.58,69.03) ; v1(24.58,69.03) 24.33,68.78 ; v1(24.58,69.03) 24.84,69.29 ; v1(24.58,69.03) 24.84,68.78 ; v1(83,36.01) 83.26,36.27 ; v1(83,36.01) 82.75,35.76 ; v1(83,36.01) 83.26,35.76 ; v1(83,36.01) 82.75,36.27 ; 14.17,89.1 v1(14.42,89.35) ; v1(14.42,89.35) 14.17,89.61 ; v1(14.42,89.35) 14.68,89.1 ; v1(14.42,89.35) 14.68,89.61 ; v1(53.79,81.73) 54.05,81.48 ; v1(53.79,81.73) 53.54,81.99 ; v1(53.79,81.73) 54.05,81.99 ; v1(53.79,81.73) 53.54,81.48 ; 28.14,36.27 v1(28.39,36.01) ; v1(28.39,36.01) 28.65,36.27 ; v1(28.39,36.01) 28.14,35.76 ; v1(28.39,36.01) 28.65,35.76 ; 78.94,91.64 v1(79.19,91.89) ; v1(79.19,91.89) 79.45,92.15 ; v1(79.19,91.89) 78.94,92.15 ; v1(79.19,91.89) 79.45,91.64 ; 49.73,89.1 v1(49.98,89.35) ; v1(49.98,89.35) 49.73,89.61 ; v1(49.98,89.35) 50.24,89.61 ; v1(49.98,89.35) 50.24,89.1 ; v1(5.53,81.73) 5.79,81.99 ; v1(5.53,81.73) 5.28,81.48 ; v1(5.53,81.73) 5.28,81.99 ; v1(5.53,81.73) 5.79,81.48 ; v1(37.28,5.53) 37.54,5.28 ; v1(37.28,5.53) 37.54,5.79 ; v1(37.28,5.53) 37.03,5.28 ; v1(37.28,5.53) 37.03,5.79 ; 6.55,35.76 v1(6.8,36.01) ; v1(6.8,36.01) 6.55,36.27 ; v1(6.8,36.01) 7.06,36.27 ; 25.6,37.54 v1(25.85,37.28) ; v1(25.85,37.28) 26.11,37.03 ; v1(25.85,37.28) 25.6,37.03 ; v1(25.85,37.28) 26.11,37.54 ; 91.64,57.86 v1(91.89,57.6) ; v1(91.89,57.6) 92.15,57.35 ; v1(91.89,57.6) 91.64,57.35 ; v1(91.89,57.6) 92.15,57.86 ; 73.86,76.91 v1(74.11,76.65) ; v1(74.11,76.65) 73.86,76.4 ; v1(74.11,76.65) 74.37,76.91 ; v1(74.11,76.65) 74.37,76.4 ; 24.33,23.06 v1(24.58,23.31) ; v1(24.58,23.31) 